# Altium PCB LimeSDR-Micro_1v0.PcbDoc (part 8 of 8)
Units mm, origin at the board's own origin, x right, y up, seen from the top; angles counter-clockwise.
Board outline 50.8 x 29.7 mm, 8 copper layers (Top, L2, L3, L4, L5, L6, L7, Bottom), stack 0.925 mm thick; 648 components, 374 nets, 2297 pads, 812 vias.
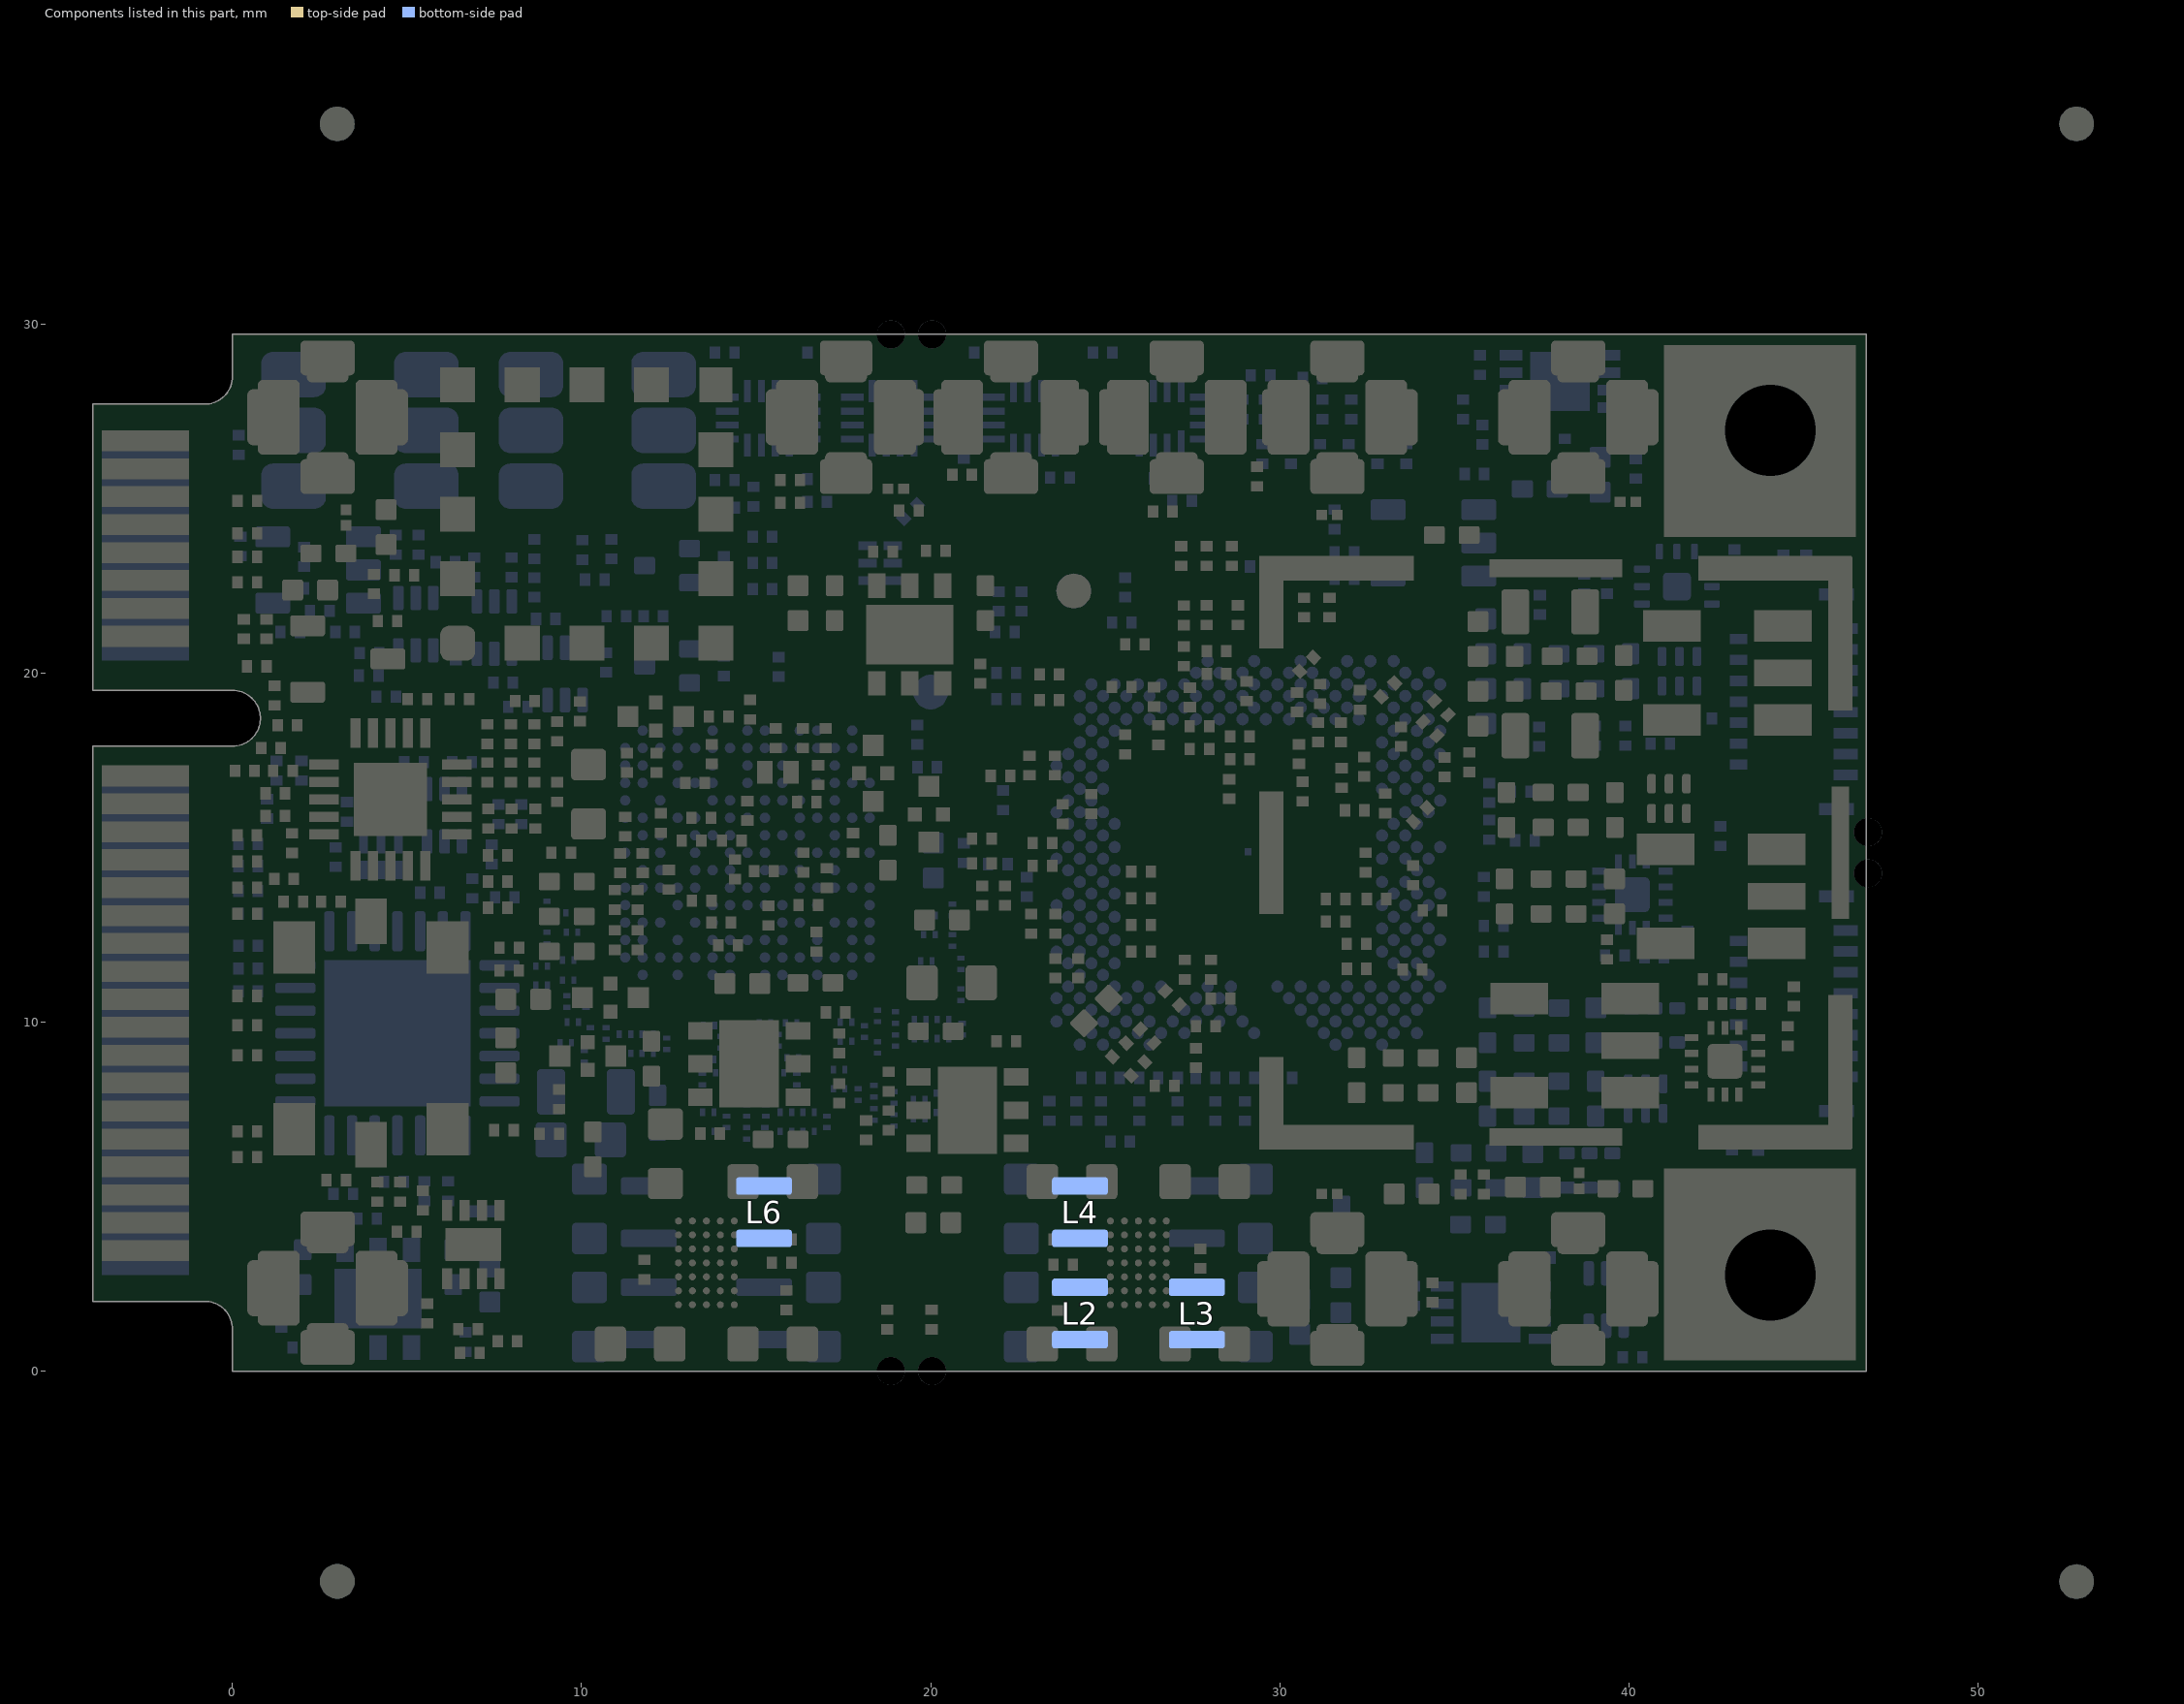
[diagram p14: the components of this part, seen from the top]

## Other copper (continued)
L2:
  pour cut-out: 3.6,3.075 1.95,3.075 1.95,4.625 3.6,4.625
  pour cut-out: 30.278,26.825 33.003,26.825 33.003,25.125 30.278,25.125
  pour cut-out: 37.178,26.825 39.903,26.825 39.903,25.125 37.178,25.125
  pour cut-out: 40.7,4.975 40.1,4.975 40.1,5.475 40.7,5.475
  pour cut-out: 39.7,4.975 39.1,4.975 39.1,5.475 39.7,5.475
  pour cut-out: 33.575,4.775 32.975,4.775 32.975,5.375 33.575,5.375
  pour cut-out: 38.05,4.975 37.45,4.975 37.45,5.575 38.05,5.575
  pour cut-out: 32.46,7.665 31.935,7.665 31.935,8.29 32.46,8.29
  pour cut-out: 32.94,7.715 32.94,8.24 33.565,8.24 33.565,7.715
  pour cut-out: 32.94,8.715 32.94,9.24 33.565,9.24 33.565,8.715
  pour cut-out: 35.662,7.665 35.035,7.665 35.035,8.29 35.662,8.29
  pour cut-out: 32.46,9.285 31.935,9.285 31.935,8.66 32.46,8.66
  pour cut-out: 35.662,9.285 35.035,9.285 35.035,8.66 35.662,8.66
  pour cut-out: 34.56,7.715 34.56,8.24 33.935,8.24 33.935,7.715
  pour cut-out: 34.56,8.715 34.56,9.24 33.935,9.24 33.935,8.715
  pour cut-out: 35.987,19.165 35.36,19.165 35.36,19.79 35.987,19.79
  pour cut-out: 35.987,20.785 35.36,20.785 35.36,20.16 35.987,20.16
  pour cut-out: 39.085,20.215 39.085,20.74 38.46,20.74 38.46,20.215
  pour cut-out: 39.085,19.215 39.085,19.74 38.46,19.74 38.46,19.215
  pour cut-out: 36.985,20.785 36.46,20.785 36.46,20.16 36.985,20.16
  pour cut-out: 37.465,20.215 37.465,20.74 38.09,20.74 38.09,20.215
  pour cut-out: 37.465,19.215 37.465,19.74 38.09,19.74 38.09,19.215
  pour cut-out: 36.985,19.165 36.46,19.165 36.46,19.79 36.985,19.79
  pour cut-out: 40.085,19.165 39.56,19.165 39.56,19.79 40.085,19.79
  pour cut-out: 40.085,20.785 39.56,20.785 39.56,20.16 40.085,20.16
  pour cut-out: 39.858,16.885 39.333,16.885 39.333,16.26 39.858,16.26
  pour cut-out: 39.858,15.265 39.333,15.265 39.333,15.89 39.858,15.89
  pour cut-out: 36.758,15.265 36.233,15.265 36.233,15.89 36.758,15.89
  pour cut-out: 37.238,15.315 37.238,15.84 37.863,15.84 37.863,15.315
  pour cut-out: 37.238,16.315 37.238,16.84 37.863,16.84 37.863,16.315
  pour cut-out: 36.758,16.885 36.233,16.885 36.233,16.26 36.758,16.26
  pour cut-out: 38.858,15.315 38.858,15.84 38.233,15.84 38.233,15.315
  pour cut-out: 38.858,16.315 38.858,16.84 38.233,16.84 38.233,16.315
  pour cut-out: 38.798,13.84 38.798,14.365 38.173,14.365 38.173,13.84
  pour cut-out: 38.798,12.84 38.798,13.365 38.173,13.365 38.173,12.84
  pour cut-out: 39.9,14.41 39.273,14.41 39.273,13.785 39.9,13.785
  pour cut-out: 36.698,14.41 36.173,14.41 36.173,13.785 36.698,13.785
  pour cut-out: 39.9,12.79 39.273,12.79 39.273,13.415 39.9,13.415
  pour cut-out: 37.178,13.84 37.178,14.365 37.803,14.365 37.803,13.84
  pour cut-out: 37.178,12.84 37.178,13.365 37.803,13.365 37.803,12.84
  pour cut-out: 36.698,12.79 36.173,12.79 36.173,13.415 36.698,13.415
  pour cut-out: 38.78,9.8 40.86,9.8 40.86,11.55 38.78,11.55
  pour cut-out: 45.125,13.125 43.408,13.125 43.408,11.65 45.125,11.65
  pour cut-out: 45.675,22.215 43.595,22.215 43.595,20.465 45.675,20.465
  pour cut-out: 42.495,19.525 40.415,19.525 40.415,17.775 42.495,17.775
  pour cut-out: 42.15,22.025 40.415,22.025 40.415,20.465 42.3,20.465 42.3,21.875
  pour cut-out: 42.308,13.125 40.228,13.125 40.228,11.375 42.308,11.375
  pour cut-out: 42.308,15.575 40.228,15.575 40.228,14.065 42.308,14.065
  pour cut-out: 38.12,8.845 36.04,8.845 36.04,7.095 38.12,7.095
  pour cut-out: 38.12,11.54 36.04,11.54 36.04,9.79 38.12,9.79
  pour cut-out: 33.022,2.85 30.297,2.85 30.297,4.55 33.022,4.55
  pour cut-out: 39.922,2.85 37.197,2.85 37.197,4.55 39.922,4.55
  pour cut-out: 1.303,26.825 4.028,26.825 4.028,25.125 1.303,25.125
L3:
  region net VCC1P75: 8.65,3.7 8.65,3.275 8.725,3.2 9.35,3.2 9.45,3.3 9.45,3.625 9.15,3.925 8.875,3.925
  region net VCC1P75: 20.025,3.892 20.142,3.775 20.65,3.775 20.825,3.95 20.825,4.275 20.575,4.525 20.45,4.525 20.025,4.1
  region net VCC1P8: 21.525,6.6 20.925,6 20.925,5.5 21.125,5.3 21.625,5.3 22.025,5.7 22.025,6.1
  region net VCC_CLK: 8.075,1.875 8.075,1.55 8.35,1.275 8.575,1.275 8.9,1.6 8.9,1.975 8.875,2 8.2,2
  region net VCC_CLK: 13.125,10.825 13.225,10.725 13.225,10.4 13.375,10.25 13.65,10.25 14.05,10.65 14.05,10.85 13.875,11.025 13.5,11.025 13.425,11.1
L4:
  region net VCC3P3_CLK: 13.225,8.55 13.225,8.95 13.275,9 13.7,9 13.7,8.55
  region net VCC_EXT: 13.975,5.925 13.225,5.925 13.075,5.775 13.075,5.225 13.375,4.925 13.975,4.925
  region net VCC1P8_LMS: 28.4,7.375 27.6,7.375 27.5,7.475 27.5,7.675 27.575,7.75 27.775,7.75 27.9,7.875 28.4,7.875
  region: 28.5,7.375
  region net VCC3P3_CLK: 16.25,6.45 16.4,6.3 17.1,6.3 17.225,6.425 17.225,6.725 16.85,7.1 16.375,7.1 16.25,6.975
  region net VCC1P25_LMS: 24.375,6.125 26.775,6.125 27,6.35 27,6.625 26.675,6.95 26.3,6.95 26.05,7.2 24.375,7.2
  region net VCC1P25_LMS: 1.7,3 1.9,2.8 2.675,2.8 2.9,3.025 2.9,3.25 2.85,3.3 2,3.3
  region net VCC2P05: 16.25,20.725 16.575,21.05 16.575,21.8 15.775,22.6 15.7,22.6 15.325,22.225 15.325,20.9 15.5,20.725
  region net VCC1P25_LMS: 1.7,3 1.425,3.275 1.425,3.85 1.575,4 2.05,4 2.25,3.8 2.25,3
  region net VCC_EXT: 8.075,3.575 8.075,5.625 7.85,5.85 7.45,5.85 7.05,5.45 7.05,3.575
L6:
  region net VCC0P9: 14.925,14.575 15.05,14.7 15.05,14.925 15.15,15.025 15.425,15.025 15.925,14.525 15.925,14.275 15.725,14.075 14.925,14.075
  region net VCC1P4_LMS: 19.825,8.275 20.25,8.275 20.525,8.55 20.525,8.875 20.1,9.3 19.275,9.3 19.175,9.2 19.175,8.925
  text "A" at -3.025,23.55 h0.7
  text "V" at -2.025,23.55 h0.7
  text "L" at -2.55,22.975 h0.7
  text "D" at -2.775,21.85 h0.7
  text "R" at -2.225,21.85 h0.7
Bottom:
  pour cut-out: 35.275,7.3 34.33,7.3 cw(c34.33,9.605) 32.7,7.975 32.399,8.276 cw(c33.424,9.3) 31.975,9.3 31.975,10.225 33.012,10.225 33.012,8.971 33.482,8.5 35.275,8.5
  pour cut-out: 30.355,8.523 ccw(c31.629,8.523) 30.728,7.622 32.575,5.775 ccw(c33.179,6.379) 33.179,5.525 33.4,5.525 33.4,6.5 31.262,8.638 cw(c31.774,9.15) 31.05,9.15 30.355,9.15
  pour cut-out: 31.925,19.925 31.925,20.8 cw(c32.65,20.8) 32.65,21.525 33.886,21.525 cw(c33.886,20.586) 34.55,21.25 ccw(c35.516,22.216) 35.516,20.85 35.55,20.85 35.55,19.25 cw(c35.55,19.914) 35.081,19.444 33.971,20.554 ccw(c33.8,20.384) 33.8,20.625 33.425,20.625 ccw(c33.425,20.275) 33.075,20.275 33.075,19.925
  region net GND: 14.5,28 14.5,27 13.6,27 13.425,27.175 13.425,27.65 13.775,28
  region net VCC1P35: 30.475,23.275 30.475,24.1 30.425,24.15 30.25,24.15 29.55,23.45 29.55,23.275
  region net VCC1P35_LDO: 31.572,24.147 32.4,24.975 33.5,24.975 33.6,24.875 33.6,24.325 33.05,23.775 31.975,23.775 31.65,23.45
  region net VCC1P35_LDO: 30.725,22.85 31.05,22.85 31.375,23.175 31.65,23.175 31.8,23.325 31.8,24.225 31.75,24.275 31.125,24.275 30.675,23.825 30.675,22.9
  region net VCC1P35: 29.55,23.275 29.55,22.75 29.6,22.7 30.425,22.7 30.475,22.75 30.475,23.275 30.425,23.325 29.6,23.325
  region net VCC1P35_SW: 29.2,23.325 28.85,23.325 28.6,23.075 28.6,22.3 28.7,22.2 29.05,22.2 29.15,22.3 29.15,22.375 29.3,22.525 29.3,23.225
  region net VCC1P8: 36.1,25.3 36.1,25.825 36.05,25.875 35.65,25.875 35.6,25.825 35.6,25.3
  region net VCC_CLK: 8.575,2.9 8.1,2.425 8.1,1.575 8.4,1.275 9.35,1.275 9.625,1.55 9.625,1.85
  region net VCC1P5: 7.025,1.575 7.025,1.15 7.975,0.2 9,0.2 9.25,0.45 9.25,0.875 9.025,1.1 8.375,1.1 7.9,1.575
  region net VCC3P3: 30.225,1.75 30.225,2.788 29.862,3.15 30.937,4.225 31.925,4.225 32.125,4.025 32.125,2.475 31.825,2.175 31.35,2.175 30.925,1.75
  region net VCC1P35_SW: 26.475,2.525 27.05,1.95 29.75,1.95 29.875,2.075 29.875,2.85 29.675,3.05 27.35,3.05 27.125,2.825 26.875,2.825 26.65,3.05 26.325,3.05 26.175,2.9 26.175,2.675 26.325,2.525
  region net VCC3P3: 28.4,4.25 28.8,4.65 29.8,4.65 30.375,5.225 30.95,5.225 30.95,3.3 30.8,3.15 28.925,3.15 28.4,3.675
  region net VCC3P3: 26.475,3.675 27.05,4.25 29.75,4.25 29.875,4.125 29.875,3.35 29.675,3.15 27.35,3.15 27.125,3.375 26.875,3.375 26.65,3.15 26.325,3.15 26.175,3.3 26.175,3.525 26.325,3.675
  region net VCC3P3: 30.95,5.225 30.95,5.975 30.825,6.1 30.225,6.1 30.087,5.962 30.087,4.937 30.663,4.937
  region net GND: 20.225,12.225 20.225,11.8 20.3,11.725 20.825,11.725 20.95,11.85 20.95,12.175 20.85,12.275 20.275,12.275
  region net VCCIO_CLK_BIAS: 6.578,13.953 7.097,13.953 7.225,13.825 7.225,13.425 7.325,13.325 7.65,13.325 7.725,13.4 7.725,14.55 7.6,14.675 6.925,14.675 6.575,14.325 6.578,14.322
  region net VCC1P8_LMS: 38.6,22.425 39.55,22.425 39.575,22.4 39.575,21.75 39.275,21.45 38.105,21.45 38.105,21.93
  region net VCC1P8: 20.911,4.064 19.95,5.025 19.95,5.925 20.125,6.1 21.45,6.1 21.55,6 21.55,5.323
  region net VCC3P3_MPCIE: 10.725,8.75 11.975,8.75 12.775,7.95 12.775,7.65 12.45,7.325 11.9,7.325 11.7,7.125 11.475,7.125 11.35,7.25 10.725,7.25
  region net VCC_EXT: 9.525,8.85 10.025,8.35 10.025,6.45 8.6,5.025 7.45,5.025 7.275,5.2 7.275,6.05 8.4,7.175 8.4,8.5 8.75,8.85
  region net VCC1P25_LMS: 2.9,3.825 2.5,4.225 2.344,4.069 2.344,3.594 2.969,3.594 3.075,3.7 3.075,3.825
  region net VCC1P25_LMS: 2.85,3 2.85,3.418 2.793,3.475 2.175,3.475 1.7,3
  region net VCC1P25_LMS: 1.7,3 1.825,2.875 2.725,2.875 2.85,3
  region net GND: 45.603,18.748 45.603,19.575 46.075,19.575 46.075,18.748
  region net GND: 23.25,4.875 23.25,5.8 23.1,5.95 22.425,5.95 22.1,5.625 22.1,5.1 22.45,4.75 23.125,4.75
  region net VCC1P5: 7.025,2.275 7.025,1.575 7.475,1.125 7.825,1.125 7.975,1.275 7.975,2.075 7.775,2.275
  region net VCC1P25_LMS: 2.5,4.55 2.7,4.75 3,4.75 3.1,4.85 3.1,5.225 3.05,5.275 2.562,5.275 2.5,5.213
  region net VCC1P25_LMS: 1.425,3.722 1.425,4.325 2.375,5.275 2.7,5.275 2.7,4.9 2.5,4.7 2.5,3.75 2.1,3.35 1.6,3.35
  region net GND: -1.5,10.55 -1.2,10.55 -1.1,10.65 -1.1,10.75 -1.025,10.825 -0.775,10.825 -0.725,10.775 -0.725,10 -0.85,9.875 -1.075,9.875 -1.5,10.3
  region net GND: 16.525,0.25 16.325,0.45 16.325,1.15 16.575,1.4 17.275,1.4 17.525,1.15 17.525,0.875 16.9,0.25
  region net GND: 28.7,4.937 28.7,5.763 28.737,5.8 29.55,5.8 29.9,5.45 29.9,5.05 29.65,4.8 28.837,4.8
  region net GND: 9.225,4.8 10.687,4.8 10.875,4.988 10.875,5.725 10.4,6.2 9.928,6.2 9.225,5.497
  pour cut-out: 34.125,3.525 42.25,3.525 42.25,11.25 32.975,11.25 32.975,4.675
  region net VCC3P3_RF: 31,1.35 31.175,1.35 31.625,0.9 31.625,0.45 31.475,0.3 30.35,0.3 29.95,0.7 29.95,0.925 30.375,1.35
  region net VCC0P9: 21.025,0.575 20.625,0.575 19.5,0.575 19.425,0.65 19.425,1.25 20.65,2.475 20.875,2.475 21.475,1.875 21.475,1.025
  region net VCC3P3_RF: 31,1.35 31,0.825 30.7,0.525 30.125,0.525 29.95,0.7 29.95,0.925 30.375,1.35 30.65,1.35
  region net GND: 28.7,1.15 28.7,0.35 28.85,0.2 29.725,0.2 29.8,0.275 29.8,1.05 29.9,1.15 29.9,1.25 29.75,1.4 28.95,1.4
  region net GND: 23.2,1.15 23.2,0.375 23.05,0.225 22.225,0.225 22.1,0.35 22.1,1.05 22.1,1.425 22.925,1.425
  pour cut-out: 36.25,18.85 39.861,18.85 39.861,21.956 36.25,21.956
  region net VCC1P8_LMS: 38.8,18.65 39,18.85 39.9,18.85 40.125,18.625 40.125,18.325 40.05,18.25 39.725,18.25 39.525,18.05 39.375,18.05 39.175,18.25 38.975,18.25 38.8,18.425
  pour cut-out: -3.575,27.7 -1.15,27.7 -1.15,19.5 -3.575,19.5
  pour cut-out: -3.575,2 -1.15,2 -1.15,17.9 -3.575,17.9
  region: 20.9,5.55
  region net VCC1P25_LMS: 25.705,6.495 25.875,6.325 27.25,6.325 27.573,6.648 27.075,7.145 25.945,7.145 25.705,6.905
  region net VCC1P25_LMS: 2.975,3.125 2.85,3.125 2.725,3 1.7,3 1.425,3.275 1.425,3.775 2.05,3.775 2.7,3.775 2.975,3.5
  region net VCC1P25_LMS: 3.225,3.475
  region net VCC1P75: 13.05,3.675 12.475,4.25 9.775,4.25 9.65,4.125 9.65,3.35 9.85,3.15 12.175,3.15 12.4,3.375 12.65,3.375 12.875,3.15 13.2,3.15 13.35,3.3 13.35,3.525 13.2,3.675
  region net VCC1P75: 11.2,4.25 10.8,4.65 9.8,4.65 8.85,4.65 8.65,4.45 8.65,3.3 8.8,3.15 10.675,3.15 11.2,3.675
  region net VCC_CLK: 11.125,2.35 10.325,1.55 9.725,1.55 8.575,1.55 8.575,2.9 8.725,3.05 10.6,3.05 11.125,2.525
  region net VCC_CLK: 13.05,2.525 12.475,1.95 9.775,1.95 9.65,2.075 9.65,2.85 9.85,3.05 12.175,3.05 12.4,2.825 12.65,2.825 12.875,3.05 13.2,3.05 13.35,2.9 13.35,2.675 13.2,2.525
  region net NetIC30_F2: 13.325,2.25 13.3,2.225 13.3,1.15 12.8,0.65 11.125,0.65 11.1,0.675 11.1,1.3 11.575,1.775 12.575,1.775 12.875,2.075 12.875,2.2 13.1,2.425 13.175,2.425 13.325,2.275
  region net NetIC30_A2: 13.325,3.95 13.3,3.975 13.3,5.05 12.8,5.55 11.125,5.55 11.1,5.525 11.1,4.9 11.575,4.425 12.575,4.425 12.875,4.125 12.875,4 13.1,3.775 13.175,3.775 13.325,3.925
  region net NetIC30_A4: 13.825,3.95 13.85,3.975 13.85,5.05 14.35,5.55 16.025,5.55 16.05,5.525 16.05,4.9 15.575,4.425 14.575,4.425 14.275,4.125 14.275,4 14.05,3.775 13.975,3.775 13.825,3.925
  region net VCC1P5: 14.1,3.675 14.375,3.95 14.375,4.075 14.575,4.275 15.8,4.275 16.15,4.625 17.425,4.625 17.625,4.825 17.625,5 17.75,5.125 18.3,5.125 18.475,4.95 18.475,3.725 17.9,3.15 13.975,3.15 13.825,3.3 13.825,3.6 13.9,3.675
  region net VCC2P05: 14.1,2.525 14.375,2.25 14.375,2.125 14.575,1.925 15.8,1.925 16.15,1.575 17.5,1.575 18.025,1.575 18.65,2.2 18.65,2.95 18.55,3.05 13.975,3.05 13.825,2.9 13.825,2.6 13.9,2.525
  region net NetIC30_F4: 13.825,2.25 13.85,2.225 13.85,1.15 14.35,0.65 16.025,0.65 16.05,0.675 16.05,1.3 15.575,1.775 14.575,1.775 14.275,2.075 14.275,2.2 14.05,2.425 13.975,2.425 13.825,2.275
  region net NetIC26_F4: 25.7,3.95 25.675,3.975 25.675,5.05 25.175,5.55 23.5,5.55 23.475,5.525 23.475,4.9 23.95,4.425 24.95,4.425 25.25,4.125 25.25,4 25.475,3.775 25.55,3.775 25.7,3.925
  region net VCC1P8: 25.425,3.675 25.15,3.95 25.15,4.075 24.95,4.275 23.725,4.275 23.375,4.625 22.425,4.625 21.525,5.525 21.125,5.525 20.7,5.1 20.7,4.275 21.825,3.15 25.55,3.15 25.7,3.3 25.7,3.6 25.625,3.675
  region net VCC0P9: 25.425,2.525 25.15,2.25 25.15,2.125 24.95,1.925 23.725,1.925 23.375,1.575 22.025,1.575 21.475,1.025 20.775,1.025 20.7,1.1 20.7,2.475 21.275,3.05 25.55,3.05 25.7,2.9 25.7,2.6 25.625,2.525
  region net NetIC26_A4: 25.7,2.25 25.675,2.225 25.675,1.15 25.175,0.65 23.5,0.65 23.475,0.675 23.475,1.3 23.95,1.775 24.95,1.775 25.25,2.075 25.25,2.2 25.475,2.425 25.55,2.425 25.7,2.275
  region net NetIC26_A2: 26.2,2.25 26.225,2.225 26.225,1.15 26.725,0.65 28.4,0.65 28.425,0.675 28.425,1.3 27.95,1.775 26.95,1.775 26.65,2.075 26.65,2.2 26.425,2.425 26.35,2.425 26.2,2.275
  region net NetIC26_F2: 26.2,3.95 26.225,3.975 26.225,5.05 26.725,5.55 28.4,5.55 28.425,5.525 28.425,4.9 27.95,4.425 26.95,4.425 26.65,4.125 26.65,4 26.425,3.775 26.35,3.775 26.2,3.925
MultiLayer:
  pour cut-out: -4,2 -3.575,2 -3.575,17.9 -4,17.9
  pour cut-out: -4,19.5 -3.575,19.5 -3.575,27.7 -4,27.7

## Silkscreen, mask and mechanical layers (free items; w line width, h text height)
TopOverlay:
  lines w0.15: 5.15,24.15 5.15,27.425 ; 7.275,19.55 8.825,19.55 ; 7.275,29.55 13.025,29.55 ; 11.475,19.55 13.025,19.55 ; 14.825,4.4 16.15,4.4 ; 15.15,21.675 15.15,27.425
  lines w0.2: 15.6,23.25 15.6,24.35 ; 16.275,24.35 16.275,23.25 ; 15.6,24.35 15.825,23.675 15.375,23.675 15.6,24.35 ; 16.275,23.25 16.5,23.925 16.05,23.925 16.275,23.25
  lines w0.25: 0.925,3.725 0.925,5.25 ; 1.383,25.875 1.383,24.35 ; 23.875,26.1 23.875,24.575 ; 25.55,24.575 25.55,26.1 ; 0.925,5.25 1.208,4.4 0.642,4.4 0.925,5.25 ; 1.383,24.35 1.667,25.2 1.1,25.2 1.383,24.35 ; 23.875,24.575 23.592,25.425 24.158,25.425 23.875,24.575 ; 25.55,26.1 25.267,25.25 25.833,25.25 25.55,26.1
  lines w0.3: 34.1,24.775 34.1,26.463 ; 35.229,1.6 35.229,3.088 ; 36,26.475 36,24.787 ; 34.1,26.463 34.442,25.438 33.758,25.438 34.1,26.463 ; 35.229,3.088 34.888,2.063 35.571,2.063 35.229,3.088 ; 36,24.787 36.342,25.812 35.658,25.812 36,24.787
  text "I" at 4,28.325 h0.7
  text "IO" at 18.35,28.3 h0.7
  text "I" at 23.6,28.3 h0.7
  text "O" at 25.1,28.3 h0.7
  text "O" at 32.775,28.3 h0.7
  text "I" at 36.7,28.3 h0.7
  text "1" at -1.2,26.25 h0.55
  text "CLK" at 16.375,23.95 h0.8
  text "ANT" at 0,23.619 h0.8 r90
  text "HAM" at 36.325,23.425 h1
  text "TX" at 28.9,23.35 h1
  text "A" at 31.9,23.35 h1
  text "PPS" at 23.475,23.275 h0.8
  text "GNSS" at 0,19.811 h0.8 r90
  text "17" at -1.2,16.625 h0.55
  text "SDR" at 26.768,14.75 h1.5 r90
  text "Lime" at 25.25,12.4 h1.5 r90
  text "Micro" at 27.925,12.4 h1.5 r90
  text "v1.0" at 29.075,12.4 h1.5 r90
  text "mPCIe" at -0.025,6.825 h0.8 r90
  text "ADF" at 0.35,3.225 h0.8 r90
  text "B" at 33.625,2.825 h1
  text "A" at 35.475,2.825 h1
  text "50" at -1.175,2.275 h0.55
  text "I" at 4,0.175 h0.7
  text "I" at 36.575,0.175 h0.7
  text "I" at 32.9,0.15 h0.7
  text "RX" at 33.975,-0.225 h1
BottomOverlay:
  drawing of 235 lines, arcs and shapes, not listed
  text "TDO" at 9.575,27.75 h0.5 r270
  text "RST" at 10.55,27.75 h0.5 r270
  text "SCL" at 2.675,27.675 h0.5 r270
  text "GND" at 3.8,27.675 h0.5 r270
  text "CFG" at 3.775,26.075 h0.5 r270
  text "TDI" at 9.575,26.075 h0.5 r270
  text "SDA" at 2.675,26.05 h0.5 r270
  text "TCK" at 10.525,26.025 h0.5 r270
  text "REG" at 2.675,24.475 h0.5 r270
  text "3P3" at 3.8,24.475 h0.5 r270
  text "GPIO" at -1.225,24.425 h0.8 r270
  text "1P8" at 10.5,24.425 h0.5 r270
  text "TMS" at 9.575,24.375 h0.5 r270
  text "JTAG" at 15.75,21.175 h0.8 r270
  text "LMS7002M" at 31.975,20.85 h0.7
  text "16" at 0.15,20.2 h0.55
  text "18" at 0.15,16.625 h0.55
  text "EXT" at 45,14.65 h0.7
  text "LA" at 46.5,14.65 h0.7
  text "BB" at 44.15,13.725 h0.7
  text "TX2" at 46.675,13.725 h0.7
  text "mPCIe" at -1.15,9.701 h0.8 r270
  text "Lime" at 34.525,7.125 h1.5
  text "-" at 30.25,6.15 h1.5
  text "v1.0" at 24.85,6 h1.5
  text "Micro" at 29.675,6 h1.5
  text "SDR" at 33.25,6 h1.5
  text "52" at 0.175,2.65 h0.55
Mechanical1:
  drawing of 2583 lines, arcs and shapes, not listed
  text "LimeSDR-Micro_v1.0" at 207.475,288.32 h7
  text "CONTROLLED IMPEDANCE" at 67.575,274.82 h3
  text "STACKUP AND LAYER DESCRIPTION" at 196.575,274.82 h3
  text "GENERAL PARAMETERS" at 81.475,268.32 h1.7
  text "Parameter" at 103.475,264.545 h1.5
  text "Layer/Layers" at 148.975,264.32 h1.5
  text "Value" at 178.975,264.32 h1.5
  text "Top" at 143.975,259.52 h1.5
  text "17.5um" at 171.275,259.52 h1.5
  text "Copper foil thickness" at 68.475,259.32 h1.5
  text "102um (4 mils)" at 170.575,254.92 h1.5
  text "Dielectric thickness between layers" at 68.475,254.32 h1.5
  text "4.2" at 171.475,249.52 h1.5
  text "Dielectric permittivity between layers (Er)" at 68.475,249.32 h1.5
  text "Top-L2" at 143.975,248.32 h1.5
  text "Via type #2" at 288.35,247.275 h1.52
  text "Via type #1" at 318.25,247.25 h1.52
  text "17.5um" at 171.275,244.52 h1.5
  text "Copper foil thickness" at 68.475,244.32 h1.5
  text "Micro via" at 290.525,243.345 h1.52
  text "Bottom" at 143.975,243.32 h1.5
  text "Blind via" at 311.775,243.32 h1.52
  text "TH via" at 330.025,243.07 h1.52
  text "GERBER LAYER NAMES:" at 203.625,241.67 h1.52
  text "L7-Bot" at 292.475,240.27 h1.52
  text "L5-Bot" at 313.475,240.245 h1.52
  text "Top-Bot" at 329.475,239.995 h1.52
  text "102um (4 mils)" at 170.575,239.92 h1.5
  text "Dielectric thickness between layers" at 68.475,239.32 h1.5
  text "GTP" at 204.725,238.12 h1.52
  text "Top solder paste" at 209.825,237.77 h1
  text "GTO" at 204.725,235.045 h1.52
  text "Silkscreen" at 209.725,234.82 h1
  text "4.2" at 171.475,234.52 h1.5
  text "Dielectric permittivity between layers (Er)" at 68.475,234.32 h1.5
  text "ELECTRICAL LAYERS:" at 344.025,233.57 h1.52
  text "Bottom-L7" at 143.975,233.42 h1.5
  text "GTS" at 204.725,232.37 h1.52
  text "Soldermask (halogen free)" at 209.725,231.07 h1
  text "Top: RF/Signal/PWR/GND" at 344.7,230.095 h1.52
  text "GTL" at 204.725,229.87 h1.52
  text "0.5oz+plating" at 209.725,229.37 h1
  text "IT180A: 3313" at 258.187,227.22 h1.2
  text "4mil (102um)" at 240.887,227.195 h1
  text "PP" at 232.025,227.07 h1
  text "CALCULATIONS" at 67.475,226.82 h1.7
  text "G1" at 204.725,225.37 h1.52
  text "1oz (35um)" at 209.725,225.17 h1
  text "L2: GND" at 344.725,225.07 h1.52
  text "IT180A: 3313" at 258.175,222.72 h1.2
  text "4mil (102um)" at 240.875,222.695 h1
  text "CORE" at 232.025,222.57 h1
  text "Target impedance" at 74.475,221.82 h1.5
  text "Single-ended" at 143.975,221.82 h1.5
  text "50R" at 170.475,221.82 h1.5
  text "G2" at 204.725,220.87 h1.52
  text "1oz (35um)" at 209.725,220.67 h1
  text "L3: Signal/PWR/GND" at 344.725,220.57 h1.52
  text "IT180A: 2116" at 258.175,218.22 h1.2
  text "4.6mil (117um)" at 240.875,218.195 h1
  text "PP" at 232.025,218.07 h1
  text "Additional comments" at 74.475,216.82 h1.5
  text "Top layer, no side GND plane" at 143.975,216.82 h1.5
  text "G3" at 204.725,216.37 h1.52
  text "1oz (35um)" at 209.725,216.17 h1
  text "L4: Signal/PWR/GND" at 344.725,216.07 h1.52
  text "IT180A: 3313" at 258.175,213.72 h1.2
  text "4mil (102um)" at 240.875,213.695 h1
  text "CORE" at 232.025,213.57 h1
  text "G4" at 204.712,211.87 h1.52
  text "Top layer copper foil thickness" at 74.475,211.82 h1.5
  text "17.5um" at 143.975,211.82 h1.5
  text "1oz (35um)" at 209.725,211.67 h1
  text "1oz (35um)" at 209.712,211.645 h1
  text "L5: GND" at 344.825,211.57 h1.52
  text "IT180A: 2116" at 258.175,209.245 h1.2
  text "4.6mil (117um)" at 240.875,209.22 h1
  text "PP" at 232.012,209.07 h1
  text "G5" at 204.712,207.395 h1.52
  text "1oz (35um)" at 209.712,207.195 h1
  text "L6: CLK/PWR/GND" at 344.712,207.095 h1.52
  text "Track width" at 74.475,206.82 h1.5
  text "0.18mm" at 143.975,206.82 h1.5
  text "IT180A: 3313" at 258.162,204.745 h1.2
  text "4mil (102um)" at 240.862,204.72 h1
  text "CORE" at 232.012,204.595 h1
  text "G6" at 204.7,202.895 h1.52
  text "1oz (35um)" at 209.712,202.695 h1
  text "1oz (35um)" at 209.7,202.67 h1
  text "L7: GND" at 344.812,202.595 h1.52
  text ">3h" at 143.975,201.92 h1.5
  text "Distance to reference plane" at 74.475,201.82 h1.5
  text "IT180A: 3313" at 258.162,200.27 h1.2
  text "4mil (102um)" at 240.862,200.245 h1
  text "PP" at 232,200.095 h1
  text "102um (4 mils)" at 170.575,198.42 h1.5
  text "GBL" at 204.7,198.42 h1.52
  text "Bottom: RF/Signal/PWR/GND" at 344.75,198.395 h1.52
  text "0.5oz+plating" at 209.7,197.92 h1
  text "Dielectric thickness between layers" at 74.475,197.82 h1.5
  text "GBS" at 204.7,195.92 h1.52
  text "Soldermask (halogen free)" at 209.7,194.72 h1
  text "ADDITIONAL LAYERS:" at 347,194.12 h1.52
  text "GBO" at 204.7,193.32 h1.52
  text "Silkscreen" at 209.7,193.12 h1
  text "4.2" at 171.475,193.02 h1.5
  text "Dielectric permittivity between layers (Er)" at 74.475,191.82 h1.5
  text "Top-L2" at 143.975,191.82 h1.5
  text "GBP" at 204.7,190.345 h1.52
  text "Bottom solder paste" at 209.7,190.145 h1
  text "Mechanical 1: Board cutout" at 349.7,189.92 h1.52
  text "Total PCB thicknes: 1mm +/- 10%" at 228.3,187.62 h1.52
  text "50 Ohms (+/- 10% tolerance)" at 143.975,186.92 h1.5
  text "ASM TOP: Assembly top" at 349.7,186.92 h1.52
  text "RF (Top)" at 73.975,186.82 h2 r90
  text "Approximate microstrip line impedance" at 74.475,186.82 h1.5
  text "0.2mm drill / 0.35mm ring" at 311.075,185.275 h1.2
  text "0.2mm drill / 0.35mm ring" at 327.925,185.225 h1.2
  text "ASM BOT: Assembly bottom" at 349.7,183.92 h1.52
  text "TH via type must be resin filled with metal cap" at 276.75,182.025 h1.52
  text "Target impedance" at 74.475,181.82 h1.5
  text "Differential" at 143.975,181.82 h1.5
  text "100R" at 170.475,181.82 h1.5
  text "Mechanical 13: Component 3D body" at 349.7,180.92 h1.52
  text "Notes: Board shape and frame" at 349.775,177.995 h1.52
  text "Additional comments" at 74.475,176.82 h1.5
  text "Top layer, no side GND plane" at 143.975,176.82 h1.5
  text "Blind and micro via type can be coated with copper" at 276.85,176.05 h1.52
  text "Top layer copper foil thickness" at 74.475,171.82 h1.5
  text "17.5um" at 143.975,171.82 h1.5
  text "Track width" at 74.475,166.82 h1.5
  text "0.1 mm (3.93 mils)" at 143.975,166.82 h1.5
  text "Track spacing" at 74.475,161.82 h1.5
  text "0.1 mm (3.93 mils)" at 143.975,161.82 h1.5
  text ">3h" at 143.975,156.92 h1.5
  text "Distance to reference plane" at 74.475,156.82 h1.5
  text "102um (4 mils)" at 170.575,153.42 h1.5
  text "Dielectric thickness between layers" at 74.475,152.82 h1.5
  text "4.2" at 171.475,148.02 h1.5
  text "Dielectric permittivity between layers (Er)" at 74.475,146.82 h1.5
  text "Top-L2" at 143.975,146.82 h1.5
  text "100 Ohms (+/- 10% tolerance)" at 143.975,141.92 h1.5
  text "RF (Top)" at 73.975,141.82 h2 r90
  text "Approximate microstrip line impedance" at 74.475,141.82 h1.5
  text "Target impedance" at 74.475,136.82 h1.5
  text "Single-ended" at 143.975,136.82 h1.5
  text "50R" at 170.475,136.82 h1.5
  text "Additional comments" at 74.475,131.82 h1.5
  text "Bottom layer, no side GND plane" at 143.975,131.82 h1.5
  text "Top layer copper foil thickness" at 74.475,126.82 h1.5
  text "17.5 um" at 143.975,126.82 h1.5
  text "VERY IMPORTANT NOTES" at 196.575,123.62 h3
  text "Track width" at 74.475,121.82 h1.5
  text "0.18mm" at 143.975,121.82 h1.5
  text "GENERAL PCB SPECS" at 196.575,117.12 h1.7
  text "ADDITIONAL REQUIREMENTS" at 305.575,117.12 h1.7
  text ">3h" at 143.975,116.92 h1.5
  text "Distance to reference plane" at 74.475,116.82 h1.5
  text "102um (4 mils)" at 170.575,113.42 h1.5
  text "Dielectric thickness between layers" at 74.475,112.82 h1.5
  text "Minimum copper to copper spacing" at 197.475,112.12 h1.5
  text "0.1mm (3.9mil)" at 252.975,112.12 h1.5
  text "4.2" at 171.475,108.02 h1.5
  text "Minimum track width" at 197.475,107.12 h1.5
  text "0.1mm (3.9mil)" at 252.975,107.12 h1.5
  text "All 0.2mm vias including 0.35mm ring and 0.2mm drill via-in-pads (IC1 and IC7) must be resin filled with metal cap." at 310.425,107.12 h1.5
  text "Dielectric permittivity between layers (Er)" at 74.475,106.82 h1.5
  text "Bottom-L7" at 143.975,106.82 h1.5
  text "PCB thickness" at 197.475,102.12 h1.5
  text "1mm +/-10%" at 252.975,102.12 h1.5
  text "49.99 Ohms (+/- 10% tolerance)" at 143.975,101.92 h1.5
  text "RF (Bottom)" at 73.975,101.82 h2 r90
  text "Approximate microstrip line impedance" at 74.475,101.82 h1.5
  text "Target impedance" at 74.475,96.82 h1.5
  text "Differential" at 143.975,96.82 h1.5
  text "85R" at 170.475,96.82 h1.5
  text "PCB material" at 197.475,92.12 h1.5
  text "IT-180A preferred or equivalent RF-rated material (up to 3 GHz or higher)" at 253.975,92.02 h1.5
  text "Additional comments" at 74.475,91.82 h1.5
  text "Top/Bottom layers, no side GND" at 143.975,91.82 h1.5
  text "IC1 thermal pad vias with 0.4mm ring and 0.2mm drill must be resin filled with metal cap. IC1 thermal pad vias  with 0.5mm ring and 0.2mm drill must be left open (NO resin fill with metal cap). 4 vias in total, marked with note." at 310.425,91.12 h1.5
  text "External layer" at 252.975,87.12 h1.5
  text "0.5 oz+plating" at 279.575,87.12 h1.5
  text "Top layer copper foil thickness" at 74.475,86.82 h1.5
  text "17.5 um" at 143.975,86.82 h1.5
  text "Copper weight" at 197.475,82.32 h1.5
  text "Internal layer" at 252.975,82.12 h1.5
  text "1 oz" at 279.475,82.12 h1.5
  text "Track width" at 74.475,81.82 h1.5
  text "0.14 mm (5.5 mils)" at 143.975,81.82 h1.5
  text "DARK BLUE" at 252.975,77.12 h1.5
  text "Electrical test : 100 % netlist." at 310.425,77.12 h1.5
  text "Track spacing" at 74.475,76.82 h1.5
  text "0.1 mm (3.93 mils)" at 143.975,76.82 h1.5
  text "Both sides" at 252.975,72.12 h1.5
  text ">3h" at 143.975,71.92 h1.5
  text "Distance to reference plane" at 74.475,71.82 h1.5
  text "PCIe REQUIREMENTS #2 AND #3" at 9.375,68.7 h0.7
  text "PCI connector / edge chamfer" at -5.875,68.45 h0.7
  text "173um (6.8 mils)" at 170.575,68.42 h1.5
  text "Dielectric thickness between layers" at 74.475,67.82 h1.5
  text "Halogen free" at 252.975,67.12 h1.5
  text "Boards are to be individually bagged." at 310.425,67.12 h1.5
  text "4.2" at 171.475,63.02 h1.5
  text "Solder mask" at 197.475,62.12 h1.5
  text "Glossy finish (NOT matte)" at 252.975,62.12 h1.5
  text "Dielectric permittivity between layers (Er)" at 74.475,61.82 h1.5
  text "Top-L2 / Bottom-L7" at 143.975,61.82 h1.5
  text "45 (+/- 7) / degrees" at -10.55,59.525 h0.7
  text "White epoxy ink" at 252.975,57.12 h1.5
  text "PCB vendor to silkscreen UL and RoHS compliance marks, vendor logo and date code on bottom where shown (ignore if none of the info will be placed on PCB)" at 310.425,57.12 h1.5
  text "85 Ohms (+/- 10% tolerance)" at 143.975,56.92 h1.5
  text "PCIe (Top and Bottom)" at 73.975,56.82 h2 r90
  text "Approximate microstrip line impedance" at 74.475,56.82 h1.5
  text "0.25mm" at -10.424,54.775 h0.7
  text "Both sides" at 252.975,52.12 h1.5
  text "1mm +/- 0.1mm" at -5.925,50.725 h0.7
  text "PCIe REQUIREMENT #1" at -20.225,47.75 h0.7
  text "Halogen free" at 252.975,47.12 h1.5
  text "Assembly note: Assembly house MUST provide notes in paper with shipped board if there were any changes during assembly and the board is not assembled 100% according to BOM and P&P files. Note example:" at 310.425,44.12 h1.5
  text "Silkscreen" at 197.475,42.12 h1.5
  text "No silkscreen on pads" at 252.975,42.12 h1.5
  text "Comment" at 371.175,40.07 h1.5
  text "Part" at 311.775,38.82 h1.5
  text "Initial BOM asm. note" at 320.175,38.82 h1.5
  text "Current PCB status" at 338.175,38.82 h1.5
  text "Plated" at 252.975,37.12 h1.5
  text "Non-plated" at 279.475,37.12 h1.5
  text "R1" at 313.025,33.82 h1.5
  text "FIT" at 326.275,33.82 h1.5
  text "NF" at 344.525,33.82 h1.5
  text "Not mounted due to bad footprint" at 355.775,33.32 h1.5
  text "IC5" at 312.525,30.82 h1.5
  text "FIT" at 326.275,30.82 h1.5
  text "NF" at 344.525,30.32 h1.5
  text "Not mounted due to part shortage" at 355.775,29.82 h1.5
  text "Hole types on the PCB and information" at 197.475,27.12 h1.5
  text "Hole diameters are final manufactured diameters INCLUDING HOLE METALIZATION." at 257.175,27.12 h1.5
  text "V-score" at 253.725,22.12 h1.5
  text "Tab route" at 279.475,22.12 h1.5
  text "Route process" at 197.475,17.12 h1.5
  text "V-score and tab route" at 253.725,17.12 h1.5
  text "PCIe REQUIREMENT #1: PCI EXPRESS pads (top and bottom) - 30 micro inches of gold over 50 micro inches nickel plating" at 310.425,17.095 h1.5
  text "Panel" at 197.375,12.12 h1.5
  text "Yes" at 253.725,12.12 h1.5
  text "No" at 279.475,12.12 h1.5
  text "HASL lead free" at 253.725,7.12 h1.5
  text "PCIe REQUIREMENT #2: Board edge below PCI pads must be chamfered (as shown). Edges must be free of cutting burrs" at 310.425,7.095 h1.5
  text "HASL with lead" at 253.725,2.12 h1.5
  text "Immersion gold" at 253.725,-2.88 h1.5
  text "PCIe REQUIREMENT #3: PCIe finger leader lines are acceptable" at 310.425,-2.905 h1.5
  text "0.05-0.10um of gold over / 2.50-5.00um of nickel" at 275.125,-2.98 h1
  text "OSP" at 253.725,-7.88 h1.5
  text "Blind vias can be coated with copper" at 310.425,-12.905 h1.5
  text "PCIe fingers" at 270.5,-13.15 h1
  text "Surface finish (both sides)" at 197.275,-13.18 h1.5
  text "Hard gold" at 253.725,-13.18 h1.5
Notes:
  region: -4,19.5 -3.75,19.5 -3.75,27.7 -4,27.7
  region: -4,2 -3.75,2 -3.75,17.9 -4,17.9
  lines w0.15: -3.75,27.7 -4,27.7 ; -4,27.7 -0.8,27.7 ccw(c-0.8,28.5) 0,28.5 0,29.7 17.951,29.7 17.951,32.725 0,32.725 0,42.88 59.975,42.88 59.975,-13.18 0,-13.18 0,-3.025 17.951,-3.025 17.951,0 0,0 0,1.2 ccw(c-0.8,1.2) -0.8,2 -4,2 -4,17.9 0,17.9 ccw(c0,18.7) 0,19.5 -4,19.5 -4,27.7 ; 20.949,-3.025 49.825,-3.025 49.825,13.351 46.8,13.351 46.8,0 20.949,0 20.949,-3.025 ; 20.949,29.7 46.8,29.7 46.8,16.349 49.825,16.349 49.825,32.725 20.949,32.725 20.949,29.7
ASM BOT:
  region: -4,2 -3.75,2 -3.75,17.9 -4,17.9
  region: -4,19.5 -3.75,19.5 -3.75,27.7 -4,27.7
  lines w0.07: 8.65,22.45 9.075,22.75
  lines w0.1: 8,23.025 8,24.4 ; 9.075,9.7 9.75,10 ; 9.8,8.7 10.075,9 ; 10.25,9.675 10.46,10.14 ; 10.38,22.675 11.4,22.5 ; 10.7,9.675 10.875,10.225 ; 13.225,7.525 13.625,7.4 ; 13.475,6.5 13.625,6.85 ; 13.5,11.175 13.925,10.35 ; 14.05,4.9 14.935,6.47 ; 14.95,11.125 15.55,10.35 ; 16.85,8.225 17.375,8.085 ; 17.05,9.425 17.575,9.425 ; 17.15,10.1 17.6,10 ; 17.4,8.635 17.815,8.635 ; 17.45,6.675 18.225,6.1 18.675,4.425 ; 17.45,10.35 17.975,10.35 18.075,10.25 18.075,9.725 ; 18.125,10.525 18.475,10.175 ; 18.5,9.275 18.825,8.625 ; 19,9.475 19.225,9.05 ; 19,10.125 19.05,10.575
  lines w0.15: -3.75,27.7 -4,27.7 ; 46.8,13.351 46.8,0 0,0 0,1.2 ccw(c-0.8,1.2) -0.8,2 -4,2 -4,17.9 0,17.9 ccw(c0,18.7) 0,19.5 -4,19.5 -4,27.7 ; 46.8,16.349 46.8,29.7 0,29.7 0,28.5 cw(c-0.8,28.5) -0.8,27.7 -4,27.7
  text "Assembly bottom" at 32.25,30.675 h1.25
ASM TOP:
  lines w0.07: 4.075,22.55 5.525,22.15
  lines w0.1: 9.3,18.325 9.3,19.9 ; 28.88,17.528 29.574,16.824 ; 28.88,18.18 29.625,18.325 ; 31.125,15.85 31.125,18.3 ; 32.45,14.55 32.925,14.6 ; 32.975,20.2 33.122,19.515 ; 33.8,14.2 34.275,14.125 ; 38.575,5.45 38.575,6.5
  lines w0.15: -4,2 -4,17.9 0,17.9 ccw(c0,18.7) 0,19.5 -4,19.5 -4,27.7 -0.8,27.7 ccw(c-0.8,28.5) 0,28.5 0,29.7 46.8,29.7 46.8,0 0,0 0,1.2 ccw(c-0.8,1.2) -0.8,2 -4,2
  text "Assembly top" at 16.325,30.675 h1.25

## Dimensions
-4,-16.454 to 59.975,-13.18 on Mechanical1
44.05,2.75 to 41.825,5.25 on Mechanical1
44.05,26.95 to 44.05,2.75 on Mechanical1
46.8,0 to 46.8,29.7 on Mechanical1
-4,2 to 46.8,0 on Mechanical1
59.975,42.88 to 59.975,-13.18 on Mechanical1
-3.75,27.7 to -4,27.7 on Mechanical1

## Text inside footprints (layer, text, board x,y; h text height)
D1: ASM TOP "A" at 15.925,17 h0.3; ASM TOP "C" at 15.175,17 h0.3
IC1: ASM BOT "1) paste/pad ratio ~60% / 2) 4 thermal pad vias  / without metal cap / 3) all other thermal pad  / vias with metal cap" at 33.425,16.55 h0.4; ASM BOT "Pad size = 0.35mm / Pad paste mask = 0.35mm / No AM2 pad" at 34.95,11.625 h0.4; ASM BOT "Footprint revision: r5" at 31.75,10.9 h0.4; Mechanical7 "0.2mm/0.5mm hole/ring vias under   / pad to be left open (no metal cap)" at 35.865,8.05 h0.35
IC6: ASM BOT "12" at 16.101,17.475 h0.3; ASM BOT "8" at 14.201,17.475 h0.3; ASM BOT "4" at 12.4,17.475 h0.3; ASM BOT "15" at 17.45,18.275 h0.3; ASM BOT "13" at 16.501,18.275 h0.3; ASM BOT "14" at 17.201,17.475 h0.3; ASM BOT "10" at 15.15,17.475 h0.3; ASM BOT "6" at 13.201,17.475 h0.3; ASM BOT "2" at 11.575,17.475 h0.3; ASM BOT "11" at 15.601,18.275 h0.3; ASM BOT "9" at 14.701,18.275 h0.3; ASM BOT "7" at 13.701,18.275 h0.3; ASM BOT "5" at 12.701,18.275 h0.3; ASM BOT "3" at 11.925,18.275 h0.3; ASM BOT "1" at 11.05,11.575 h0.3; ASM BOT "D" at 17.746,12.58 h0.3; ASM BOT "H" at 17.746,14.58 h0.3; ASM BOT "M" at 17.746,16.58 h0.3; ASM BOT "A" at 11.625,11.1 h0.3; ASM BOT "B" at 17.746,11.58 h0.3; ASM BOT "C" at 18.446,12.18 h0.3; ASM BOT "G" at 18.446,14.18 h0.3; ASM BOT "F" at 17.746,13.58 h0.3; ASM BOT "E" at 18.446,13.18 h0.3; ASM BOT "L" at 18.446,16.18 h0.3; ASM BOT "K" at 17.746,15.58 h0.3; ASM BOT "J" at 18.446,15.18 h0.3; ASM BOT "N" at 18.446,17.18 h0.3; ASM BOT "P" at 17.746,17.58 h0.3; ASM BOT "R" at 18.446,18.18 h0.3; BottomOverlay "R" at 10.05,17.2 h0.5; BottomOverlay "A" at 11.065,10.025 h0.5 r270; BottomOverlay "1" at 10.2,11.125 h0.5; BottomOverlay "15" at 18.899,19.475 h0.5
J1: ASM TOP "in" at 17.275,26.2 h0.3
J2: ASM TOP "in" at 22.1,26.225 h0.3
J3: ASM TOP "in" at 2.525,3.95 h0.3
J4: ASM TOP "in" at 26.75,26.2 h0.3
MECH1: ASM TOP "Shield Cover" at 40.625,23.825 h0.3
MECH2: ASM TOP "Shield Frame" at 39.75,22.575 h0.3
T2: Mechanical13 "NC" at 45.625,20.2 h0.2 r270; Mechanical13 "Sec" at 45.625,19 h0.2 r270; Mechanical13 "Sec*" at 45.625,21.7 h0.2 r270; Mechanical13 "Pri" at 39.825,18.9 h0.2 r270; Mechanical13 "Pri*" at 39.825,21.7 h0.2 r270
T7: Mechanical13 "Pri*" at 39.638,15.3 h0.2 r270; Mechanical13 "Pri" at 39.638,12.5 h0.2 r270; Mechanical13 "Sec*" at 45.438,15.3 h0.2 r270; Mechanical13 "Sec" at 45.438,12.6 h0.2 r270; Mechanical13 "NC" at 45.438,13.8 h0.2 r270
T8: Mechanical13 "NC" at 41.25,9.525 h0.2 r270; Mechanical13 "Sec" at 41.25,8.325 h0.2 r270; Mechanical13 "Sec*" at 41.25,11.025 h0.2 r270; Mechanical13 "Pri" at 35.45,8.225 h0.2 r270; Mechanical13 "Pri*" at 35.45,11.025 h0.2 r270
VT1: ASM BOT "S" at 13.15,19.6 h0.3; ASM BOT "D" at 11.85,20.1 h0.3; ASM BOT "G" at 13.15,20.6 h0.3
VT2: ASM BOT "S" at 13.15,22.475 h0.3; ASM BOT "D" at 11.85,22.975 h0.3; ASM BOT "G" at 13.15,23.475 h0.3
X1: ASM TOP "in" at 31.35,26.2 h0.3
X2: ASM TOP "in" at 38.05,3.775 h0.3
X3: ASM TOP "in" at 38.25,26.2 h0.3
X4: ASM TOP "in" at 31.15,3.775 h0.3
X5: ASM TOP "in" at 2.475,25.75 h0.3
X8: ASM BOT "Connector input" at 46.175,7.725 h0.3 r270
X13: ASM BOT "Connector input" at 46.175,16.5 h0.3 r270